# Altium PCB MBoard.PcbDoc
Units mil, origin at the board's own origin, x right, y up, seen from the top; angles counter-clockwise.
Board outline 2255 x 1195 mil, 2 copper layers (Top Layer, Bottom Layer); 48 components, 50 nets, 207 pads, 24 vias.
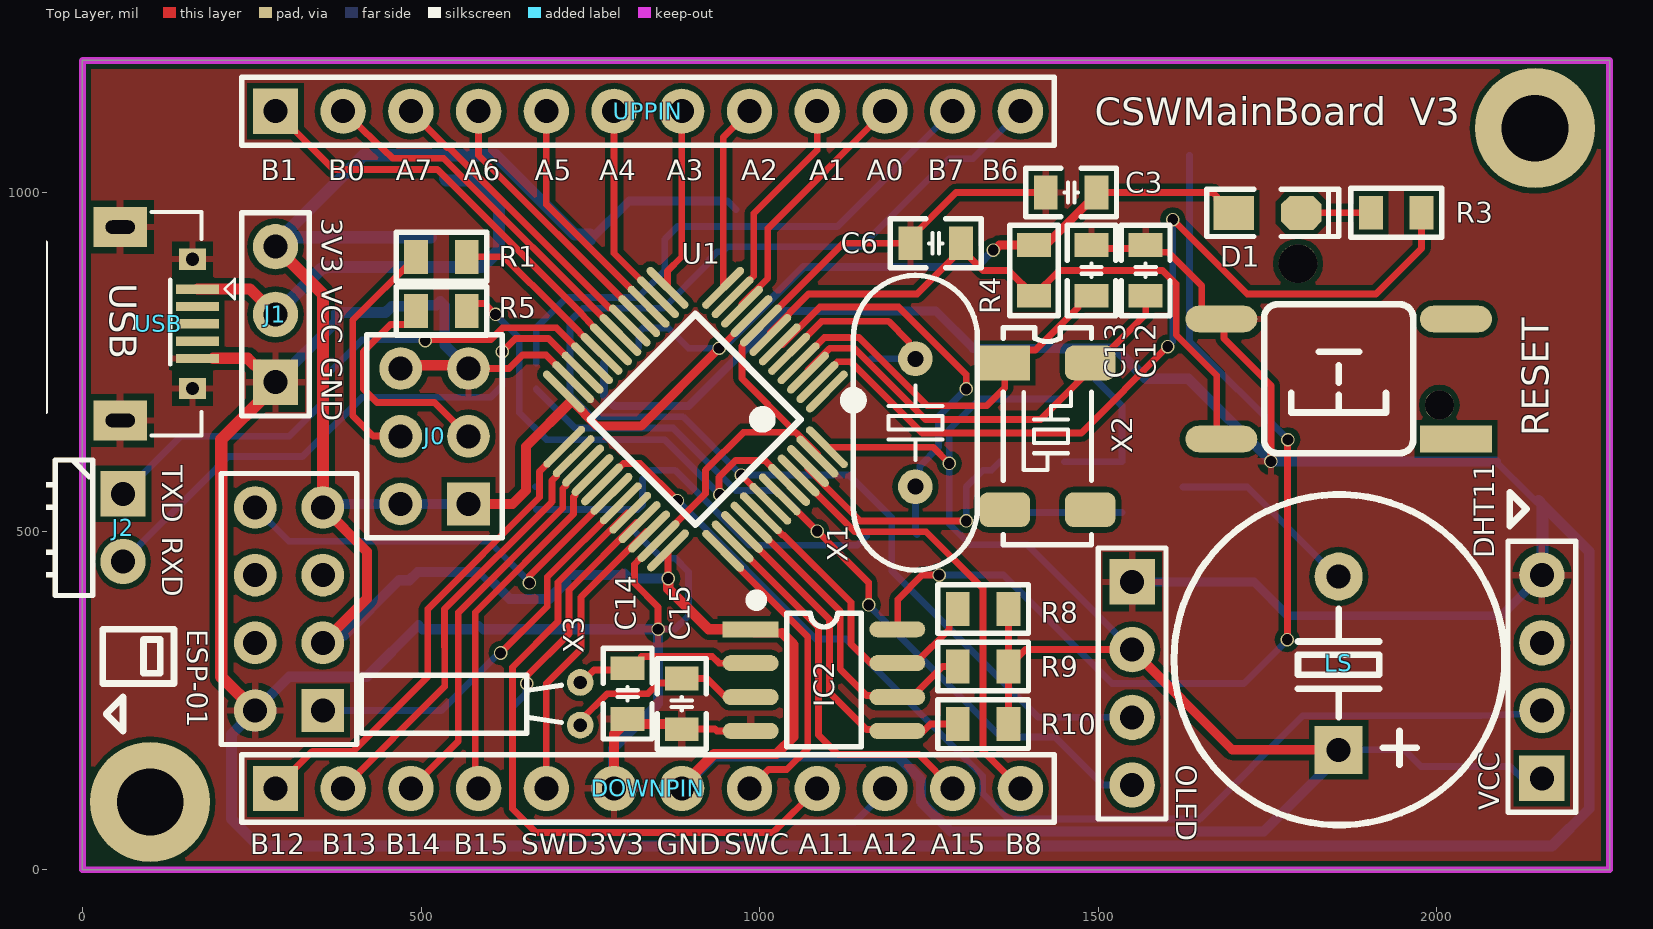
[diagram p0: Top Layer view]
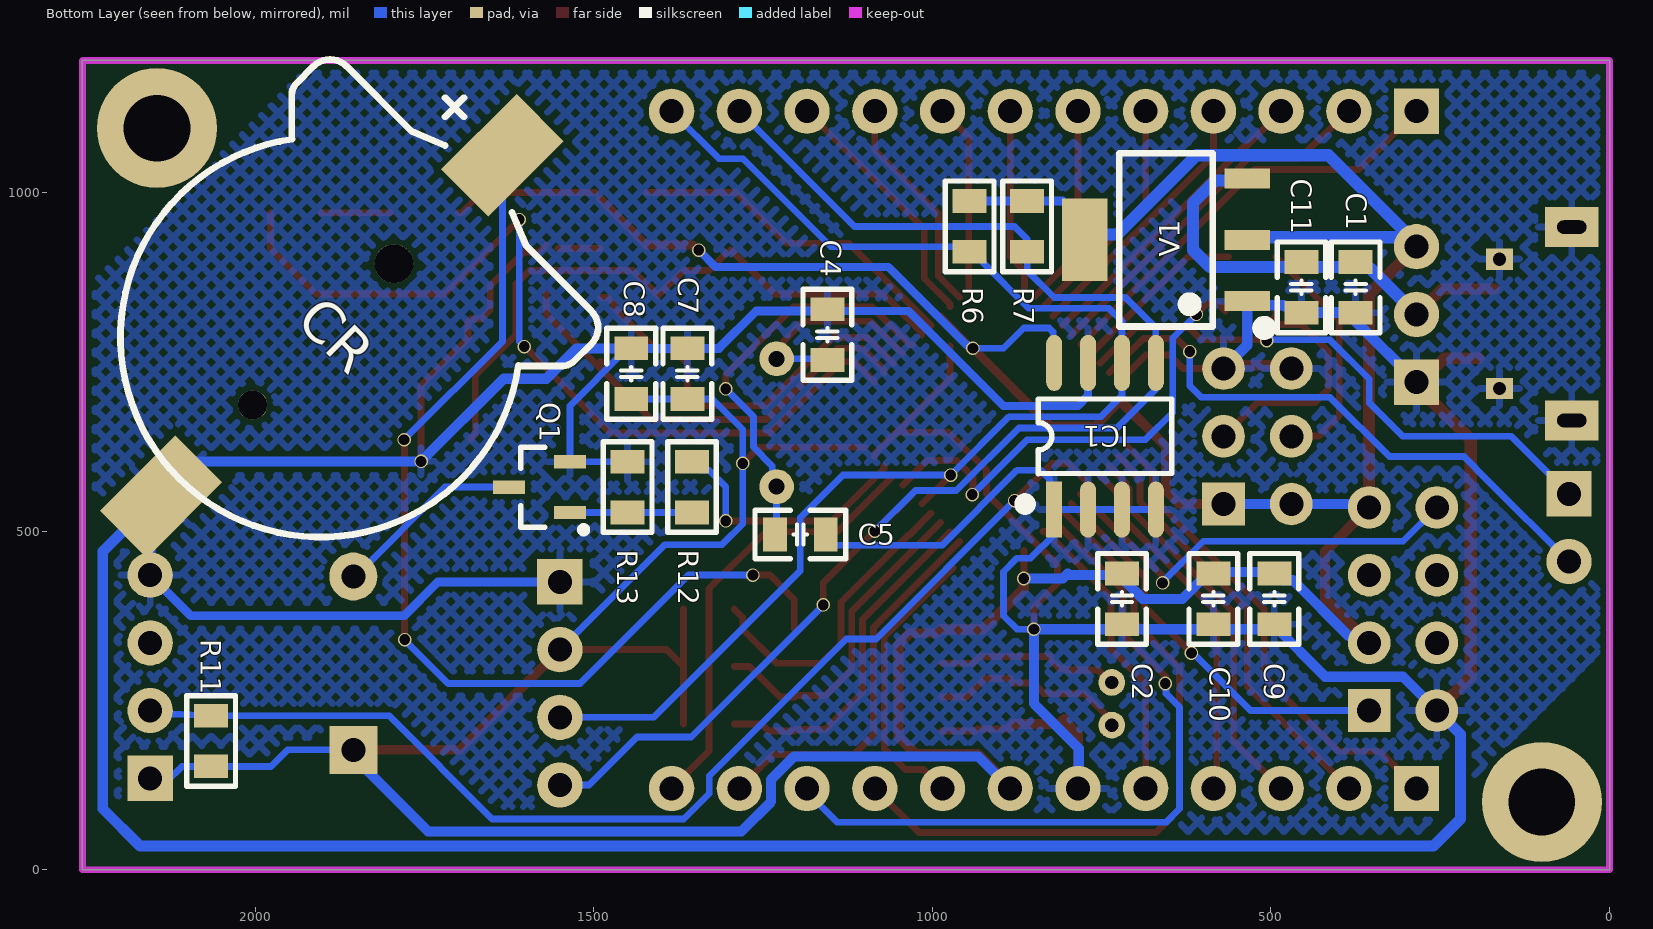
[diagram p1: Bottom Layer view, seen from below]

## Layer stack, top to bottom
Top Solder: solder mask 0.4, Solder Resist, Dk 3.5
Top Layer: signal copper 1.4
Dielectric 1: dielectric 12.6, FR-4, Dk 4.8
Bottom Layer: signal copper 1.4
Bottom Solder: solder mask 0.4, Solder Resist, Dk 3.5

## Board outline
0,0 2255,0 2255,1195 0,1195

## Design rules (kind name [scope] priority, off if disabled: settings)
Clearance [All] p1: gap=8 ignorepadtopadclearanceinfootprint=TRUE except(6: Arc-SMDPad Arc-THPad Track-SMDPad Track-THPad SMDPad-SMDPad SMDPad-THPad)
PolygonConnect [All] p1: connectstyle=Relief reliefconductorwidth=10 reliefentries=4 polygonreliefangle="90 Angle" airgapwidth=10
RoutingVias [All] p1: holewidth=16 width=20 viastyle="Through Hole" minholewidth=16 minwidth=10 maxholewidth=16 maxwidth=30
SolderMaskExpansion [All] p1: expansion=4 istentingtop=FALSE
Width [All] p1: maxlimit=20 minlimit=8 preferedwidth=10 minimp=50.000000 maximp=50.000000 favimp=50.000000
30 further rules are at their usual default settings.

## Components (designator, comment, footprint, x,y, rotation, side; value= is the part's Value field where it differs from the comment)
C1 "10uF" "C 0805_L" 375,860 r90 bottom
C2 "10uF" "C 0805_L" 720,400 r90 bottom
C3 "0.1uF" "C 0805_L" 1460,1000 r0 top
C4 "22pF" "C 0805_L" 1155,790 r270 bottom
C5 "22pF" "C 0805_L" 1195,495 r0 bottom
C6 "0.1uF" "C 0805_L" 1260,925 r0 top
C7 "0.1uF" "C 0805_L" 1361.73,732.4 r270 bottom
C8 "0.1uF" "C 0805_L" 1444.6,732.4 r270 bottom
C9 "0.1uF" "C 0805_L" 495,400 r90 bottom
C10 "0.1uF" "C 0805_L" 585,400 r90 bottom
C11 "0.1uF" "C 0805_L" 455,860 r90 bottom
C12 "22pF" "C 0805_L" 1570,885 r270 top
C13 "22pF" "C 0805_L" 1490,885 r270 top
C14 "104" "C 0805_L" 805,260 r90 top
C15 "104" "C 0805_L" 885,245 r90 top
CR "1220" CR1220_A 1903.57,786.43 r135 bottom locked
D1 "绿色" "LED 0805R" 1750,970 r0 top
DHT11 "DHT11" HDR2.54-LI-4P 2155,285 r90 top
DOWNPIN "CON12" HDR2.54-LI-12P 835,120 r0 top
ESP-01 "ESP8266-01/ESP-01" "ESP-01S NOBRODER" 199.06,179.13 r90 top
IC1 "24Cxx" SOP8_M 745,640 r90 bottom
IC2 "DS1302" SOP8_M 1095,280 r0 top
J0 "BOOT SELECT" HDR2.54-LI-2x3P 520,640 r90 top
J1 "OUTPOWER" HDR2.54-LI-3P 285,820 r90 top
J2 "USART3" HDR2.54-WI-2P 60,505 r270 top
LS "DC3V" "BEEP 6.5x12x6" 1855,305 r0 top
OLED "0.96寸OLED IIC接口" HDR2.54-M-LI-4P 1550,275 r270 top
Q1 "SS8050" SOT23-3N 1580,565 r90 bottom
R1 "10K" "R 0805_L" 530,905 r180 top
R3 "1K" "R 0805_L" 1940,970 r180 top
R4 "1K" "R 0805_L" 1405,885 r90 top
R5 "10K" "R 0805_L" 530,825 r0 top
R6 "10K" "R 0805_L" 945,950 r90 bottom
R7 "10K" "R 0805_L" 860,950 r90 bottom
R8 "4.7K" "R 0805_L" 1330,385 r0 top
R9 "4.7K" "R 0805_L" 1330,300 r0 top
R10 "4.7K" "R 0805_L" 1330,215 r0 top
R11 "4.7K" "R 0805_L" 2065,190 r270 bottom
R12 "1K" "R 0805_L" 1355,565 r90 bottom
R13 "10K" "R 0805_L" 1450,565 r90 bottom
RESET "6x6x5" "TSW SMD-6*6*4.3" 1855,725 r180 top
U1 "STM32F103C8" "LQFP48 7X7_M" 905,665 r135 top locked
UPPIN "CON12" HDR2.54-LI-12P 835,1120 r0 top
USB "USB-5P" USB-MICRO_A 55.83,806.18 r270 top
V1 "AMS1117-3V3" SOT223_L 655,930 r90 bottom
X1 "8MHz" "OSC HC-49S" 1230,660 r90 top
X2 "32.768kHz" "OSC MC-306" 1425,640 r270 top
X3 "32.768KHz" OSC-2x6-WI-A 735,245 r90 top

## Footprints (in the part's own frame and the unit in brackets; to place one, negate y for a bottom-side part, rotate by r counter-clockwise, add the part's x,y. Pads: shape width x height; smd on the part's side, far side on the other; paste and mask are expansions set on the pad)
"BEEP 6.5x12x6" [mm] "6.5*12*6mm(脚距,直径,高度)"
  rect 1.8x1.8 hole 0.9: 1(0,-3.25)
  round 1.8 hole 0.9: 2(0,3.25)
  silkscreen extent -6.18,-6.07 6.22,6.32, body extent -6,-6 6,6, height 6.05
"C 0805_L" [mil] "无极性贴片电容"
  rect 35x50 smd: 1(-37.4,0) 2(37.4,0)
  silkscreen extent -67,-36 67,36, body extent -39,-24 39,24, height 20
CR1220_A [mm] "纽扣电池座"
  round 1.1 hole 1.1: 0(-3.6,0)
  round 1.45 hole 1.45: 0(3.9,0)
  rect 4x2.5 smd: 1(9.652,0) 2(-8.458,0)
  silkscreen extent -7.5,-7.5 10.16,7.5, body extent -9.42,-7.45 10.34,7.45, height 4.05
"ESP-01S NOBRODER" [mm] "ESP-01S 无边框"
  rect 1.6x1.6 hole 0.9: 1(1.419,-3.961)
  round 1.6 hole 0.9: 2(1.419,-1.421) 3(3.959,-3.961) 4(3.959,-1.421) 5(6.499,-3.961) 6(6.499,-1.421) 7(9.039,-3.961) 8(9.039,-1.421)
  silkscreen extent 0.15,-5.23 10.31,-0.15, body extent 0.15,-5.23 10.31,-0.15, height 8.5
HDR2.54-LI-2x3P [mm] "双排排针，3x2脚"
  rect 1.6x1.6 hole 0.9: 1(-2.54,-1.27)
  round 1.6 hole 0.9: 2(-2.54,1.27) 3(0,-1.27) 4(0,1.27) 5(2.54,-1.27) 6(2.54,1.27)
  silkscreen extent -3.81,-2.54 3.81,2.54, body extent -3.81,-2.54 3.81,2.54, height 8.5
HDR2.54-LI-3P [mm] "排针，3脚"
  rect 1.7x1.7 hole 0.9: 1(-2.54,0)
  round 1.7 hole 0.9: 2(0,0) 3(2.54,0)
  silkscreen extent -3.81,-1.27 3.81,1.27, body extent -3.81,-1.27 3.81,1.27, height 8.5
HDR2.54-LI-4P [mm] "排针，4脚"
  rect 1.7x1.7 hole 0.9: 1(-3.81,0)
  round 1.7 hole 0.9: 2(-1.27,0) 3(1.27,0) 4(3.81,0)
  silkscreen extent -5.08,-1.27 5.08,1.27, body extent -5.08,-1.27 5.08,1.27, height 8.5
HDR2.54-LI-12P [mm] "排针，13脚"
  rect 1.7x1.7 hole 0.9: 1(-13.97,0)
  round 1.7 hole 0.9: 2(-11.43,0) 3(-8.89,0) 4(-6.35,0) 5(-3.81,0) 6(-1.27,0) 7(1.27,0) 8(3.81,0) 9(6.35,0) 10(8.89,0) 11(11.43,0) 12(13.97,0)
  silkscreen extent -15.24,-1.27 15.24,1.27, body extent -15.24,-1.27 15.24,1.27, height 8.5
HDR2.54-M-LI-4P [mm] "排母，4脚"
  rect 1.7x1.7 hole 0.9: 1(-3.81,0)
  round 1.7 hole 0.9: 2(-1.27,0) 3(1.27,0) 4(3.81,0)
  silkscreen extent -5.08,-1.27 5.08,1.27, body extent -5.08,-1.27 5.08,1.27, height 8.5
HDR2.54-WI-2P [mm] "弯脚排针，2脚"
  rect 1.7x1.7 hole 0.9: 1(-1.27,0)
  round 1.7 hole 0.9: 2(1.27,0)
  silkscreen extent -2.54,-7.76 2.54,-1.14, body extent -2.54,-7.77 2.54,1.27, height 4.85
"LED 0805R" [mil] "红色0805LED"
  rect 60x50 smd: 1(-50,0)
  oct 60x50 smd: 2(50,0)
  silkscreen extent -90,-35 105,35, body extent -39,-25 39,25, height 32
"LQFP48 7X7_M" [mm] "48脚，体宽7x7mm，脚距0.5mm"
  oval 0.3x2.1 smd: 1(-2.75,-4.227) 2(-2.25,-4.227) 3(-1.75,-4.227) 4(-1.25,-4.227) 5(-0.75,-4.227) 6(-0.25,-4.227) 7(0.25,-4.227) 8(0.75,-4.227) 9(1.25,-4.227) 10(1.75,-4.227) 11(2.25,-4.227) 12(2.75,-4.227) 25(2.75,4.202) 26(2.25,4.202) 27(1.75,4.202) 28(1.25,4.202) 29(0.75,4.202) 30(0.25,4.202) 31(-0.25,4.202) 32(-0.75,4.202) 33(-1.25,4.202) 34(-1.75,4.202) 35(-2.25,4.202) 36(-2.75,4.202)
  oval 2.1x0.3 smd: 13(4.227,-2.75) 14(4.227,-2.25) 15(4.227,-1.75) 16(4.227,-1.25) 17(4.227,-0.75) 18(4.227,-0.25) 19(4.227,0.25) 20(4.227,0.75) 21(4.227,1.25) 22(4.227,1.75) 23(4.227,2.25) 24(4.227,2.75) 37(-4.227,2.75) 38(-4.227,2.25) 39(-4.227,1.75) 40(-4.227,1.25) 41(-4.227,0.75) 42(-4.227,0.25) 43(-4.227,-0.25) 44(-4.227,-0.75) 45(-4.227,-1.25) 46(-4.227,-1.75) 47(-4.227,-2.25) 48(-4.227,-2.75)
  silkscreen extent -3.93,-4.95 2.79,2.79, body extent -4.5,-4.5 4.5,4.5, height 1.45
"OSC HC-49S" [mm]
  round 1.3 hole 0.6: 1(-2.4,0) 2(2.4,0)
  silkscreen extent -5.52,-2.33 5.52,2.33, body extent -5.52,-2.32 5.53,2.33, height 4.13
"OSC MC-306" [mm] "8mm*3.2mm*2.54mm(长*宽*高)"
  rect 1.3x1.9 smd: 1(-2.75,-1.6)
  rrect50% 1.3x1.9 smd: 2(2.75,-1.6) 3(2.75,1.6) 4(-2.75,1.6)
  silkscreen extent -4.06,-1.65 4.06,1.65, body extent -4,-1.63 4,1.63, height 2.56
OSC-2x6-WI-A [mm] "脚距：1.6mm"
  round 1 hole 0.5: 1(0.8,0) 2(-0.8,0)
  silkscreen extent -1.1,0.7 1.07,8.2, body extent -1,-0.16 1,8, height 2.05
"R 0805_L" [mil] "1/8W贴片电阻"
  rect 35x50 smd: 1(-37.4,0) 2(37.4,0)
  silkscreen extent -67,-36 67,36, body extent -39,-25 39,25, height 20
SOP8_M [mm] "5*6*1.8mm（长宽高）"
  rect 2.1x0.6 smd: 1(-2.75,1.905)
  oval 2.1x0.6 smd: 2(-2.75,0.635) 3(-2.75,-0.635) 4(-2.75,-1.905) 5(2.75,-1.905) 6(2.75,-0.635) 7(2.75,0.635) 8(2.75,1.905)
  silkscreen extent -2.69,-2.5 1.4,3.15, body extent -3,-2.5 3,2.5, height 1.9
SOT23-3N [mm] "3x1.3x1mm(长宽高)"
  rect 0.5x1.2 smd: 1(-0.95,-1.143) 2(0.95,-1.143) 3(0,1.143)
  silkscreen extent -1.72,-1.78 1.5,0.7, body extent -1.5,-1.2 1.5,1.2, height 1.05
SOT223_L [mm] "6.4x7x1.6mm(长宽高)"
  rect 0.75x1.7 smd: 1(-2.3,-3.048) 2(0,-3.048) 3(2.3,-3.048)
  rect 3.1x1.7 smd: 2(0,3.048)
  silkscreen extent -3.5,-3.88 3.25,1.75, body extent -3.25,-3.51 3.25,3.51, height 1.65
"TSW SMD-6*6*4.3" [mm] "6*6*4.3mm"
  rect 2.7x1 smd: 1(-4.4,2.261)
  oval 2.7x1 smd: 2(-4.4,-2.239) 3(4.4,-2.239) 4(4.4,2.261)
  silkscreen extent -2.79,-2.79 2.79,2.79, body extent -4.5,-3 4.5,3, height 4.25
USB-MICRO_A [mm] "micro型USB ，5.7*7.8*2.5mm"
  rect 0.35x1.6 smd: 1(-1.3,2.9) 2(-0.65,2.9) 3(0,2.9) 4(0.65,2.9) 5(1.3,2.9)
  rect 1.5x2 hole 0.5 slot 1.1 at 90 deg: 5(-3.625,0) 5(3.625,0)
  rect 0.8x1 hole 0.5: 5(-2.425,2.71) 5(2.425,2.71)
  silkscreen extent -4.19,-2.79 4.19,4.3, body extent -4,-2.71 4,2.89, height 2.8

## Part data
C1 C2 C3 C4 C5 C6 C7 C8 C9 C10 C11 C12 C13 C14 C15: library part C, "无极性贴片电容", BOM名称=无极性贴片电容, 学习资源=www.ooocke.com, 版权归属=源创客
CR: library part CR-3V, "微型电池", BOM名称=微型电池, 学习资源=www.ooocke.com, 版权归属=源创客
D1: library part LED-SMD, "贴片LED", BOM名称=贴片LED, 学习资源=www.ooocke.com, 版权归属=源创客
DOWNPIN UPPIN: "Connector"
ESP-01: library part ESP8266-01, "ESP8266-01 接口"
IC1: "外置EEPROM", BOM名称=外置EEPROM, 学习资源=www.ooocke.com, 版权归属=源创客
IC2: "实时时钟芯片", BOM名称=实时时钟芯片, 学习资源=www.ooocke.com, 版权归属=源创客
J0: library part CON6, "Connector"
J1: library part CON3, "Connector"
J2: library part CON2, "Connector"
LS: library part BEEP, "蜂鸣器", BOM名称=蜂鸣器, 学习资源=www.ooocke.com, 版权归属=源创客
OLED: library part OLED0.96_IIC, "0.96寸OLED  IIC接口"
Q1: library part 8050-SMD, "高频放大-NPN型", BOM名称=高频放大-NPN型, 学习资源=www.ooocke.com, 属性="40V 1.5A 1W 100MHZ", 版权归属=源创客
R1 R3 R4 R5 R6 R7 R8 R9 R10 R11 R12 R13: library part R, "贴片电阻", BOM名称=贴片电阻, 学习资源=www.ooocke.com, 版权归属=源创客
RESET: library part "TSW SMD-6x6", "贴片6x6轻触开关", BOM名称=贴片6x6轻触开关, 学习资源=www.ooocke.com, 版权归属=源创客
U1: "Flaah:64/RAM:20/IO:36", BOM名称=32位STM单片机, 学习资源=www.ooocke.com, 版权归属=源创客
USB: "微型USB母座", BOM名称=微型USB母座, 学习资源=www.ooocke.com, 版权归属=源创客
V1: library part AMS1117, "三端稳压芯片", BOM名称=稳压芯片, 学习资源=www.ooocke.com, 版权归属=源创客
X1 X3: library part XTAL-2P, "2脚无源脚晶振", BOM名称=2脚无源脚晶振, 学习资源=www.ooocke.com, 版权归属=源创客
X2: library part XTAL-MC-4P, "MC系列4脚晶振", BOM名称=2脚无源脚晶振, 学习资源=www.ooocke.com, 版权归属=源创客

## Free pads (board coordinates)
  round 177.17 hole 98.43: 0(100,100) 0(2145,1095)

## Via types
v1: diameter 20, hole 16, Top Layer to Bottom Layer, 24 vias

## Nets (pads, with @x,y where several pads share a name; then routed paths per layer and width w, separated by ;. In a path a pad name is that pad's centre, name@x,y a point inside that pad or via, vN(x,y) a via of type N, cw(c..) or ccw(c..) an arc to the next point about the centre after c; other vN are vias at no path point)
BEEP: R12.2 U1.46 | length 385
  Top Layer w10: U1.46 1071.39,592.12 1148.51,515 v1(1305,515)
  Bottom Layer w10: v1(1305,515) 1305,565 1329.9,589.9 1342.5,589.9 R12.2
BOOT0: J0.3 R5.1 | length 370.8
  Top Layer w10: R5.1 492.6,817.5 505.1,805 455,805 415,765 415,710 435,690 520,690 J0.3
BOOT1: J0.4 R1.2 | length 356.8
  Top Layer w10: J0.4 469.66,640.34 429.36,640.34 399,670.7 399,811.4 R1.2
GND: C1.1 C2.1 C3.1 C4.1 C6.1 C7.1 C8.1 C9.1 C10.1 C11.1 C12.1 C13.1 C14.1 C15.1 CR.2 DHT11.4 DOWNPIN.6 ESP-01.2 IC1.1 IC1.2 IC1.3 IC1.4 IC1.7 IC2.4 J0.5 J0.6 J1.1 OLED.1 Q1.2 R13.2 RESET.3 U1.8 U1.23 U1.35 U1.47 USB.5 V1.1 | length 10440.4
  Top Layer w10: J0.5 630,740 650,760 684.73,760 U1.23 ; v1(850,355) 850,388 815,423 815,451.03 823.96,459.99 825.27,459.99 U1.35 850.67,485.88 920,555.21 920,590 975.92,645.92 1053.28,645.92 ; C15.1 934,207.6 936.6,205 IC2.4 ; U1.8@973.76,773.44 973.76,725.45 1053.28,645.92 ; U1.8 1080,881.76 1123.24,925 1215,925 1290,1000 C3.1 ; U1.47 1085.31,613.89 1079.21,620 1054.99,644.22 1053.28,645.92 ; C13.1@1490,917.41 1500,917.41 C12.1@1552.6,917.4 ; C12.1 1580.55,911.85 1603.15,911.85 1652.94,862.06 1652.94,826.73 1666.51,813.17 RESET.3 1685.66,809.28 1685.66,784.34 1755,715 v1(1755,603)
  Top Layer w15: DOWNPIN.6 785,200 C14.1@805,220 ; C14.1 812.6,215 880,215 C15.1@885,210
  Top Layer w16: J0.6@475,745 J0.5@565,745
  Top Layer w17: USB.5@193,755 244.04,755 254.08,744.96 260.04,744.96 273.12,731.88 J1.1@273.12,701.88
  Top Layer w18: ESP-01.2 205,285 205,635.16 J1.1@272.42,702.58
  Bottom Layer w10: C9.1 496.3,361.3 C9.1@502.59,355 ; C10.1@577.4,355 C10.1 C10.1@592.59,355 ; IC1.4@668.71,565.47 IC1.4@669.53,565.47 ; IC1.4 IC1.3 IC1.2 IC1.1 826.81,538.54 826.81,576.81 840,590 874.7,590 985.7,479 1144.1,479 1157.6,492.5 1157.6,495 ; IC1.1@818.27,496.73 855,460 875,460 895,440 895,375 875.18,355.18 850.18,355.18 v1(850,355) ; R13.2 1508,602.4 Q1.2 1535,685 C8.1@1455,765 ; CR.2@2087,603 CR.2 CR.2@2147.5,542.5 ; DHT11.4 2159.92,439.92 2159.92,530.08 CR.2@2155,535
  Bottom Layer w12: IC1.7 770,700 785,685 895,685 1035,825 C4.1@1155,825
  Bottom Layer w13: C4.1@1155,825 1260,825 1315.2,769.8 C7.1 C8.1 ; OLED.1 1730,425 1780,375 2095,375 DHT11.4
  Bottom Layer w15: ESP-01.2 305,285 420,285 C9.1@496.3,361.3 ; C9.1@502.59,355 C10.1@577.4,355 ; C10.1@592.59,355 C2.1@720,355 ; C2.1 727.59,355 v1(850,355) 850,245.23 783.81,179.04 783.81,121.19 DOWNPIN.6 ; C8.1 1455,769.8 1525.2,769.8 1570,725 1633,725 v1(1755,603) CR.2@2087,603
  Bottom Layer w16: ESP-01.2 220,200 220,75 260,35 2170,35 2225,90 2225,470 2157.5,537.5 CR.2@2150,545 ; J1.1 375,810 C1.1 447.59,822.6 457.09,832.1 479.92,832.1 481.37,833.55 522.34,833.55 528.24,839.45 535,832.68 535,775 J0.5 ; DHT11.4 CR.2@2155,535
NetC14_2: C14.2 IC2.2 X3.1 | length 275.8
  Top Layer w10: X3.1@733.25,278.25 738.79,278.25 755.54,295 802.61,295 C14.2 812.5,297.4 825,309.9 825,315 930,315 940,305 IC2.2
NetC15_2: C15.2 IC2.3 X3.2 | length 294.4
  Top Layer w10: X3.2 735,220 775,260 835,260 850.86,275.86 880.86,275.86 C15.2@885,280 ; C15.2 922,282.4 949.4,255 IC2.3
NetCR_1: CR.1 IC2.8 | length 1504.8
  Top Layer w10: IC2.8 1204,355 1204,399 1240,435 v1(1265,435) ; v1(1779.01,339.72) 1779.5,340.21 1779.5,634.5 v1(1780,635)
  Bottom Layer w10: v1(1265,435) 1360,435 1520,275 1715,275 v1@1780,340 ; CR.1 1634.87,780.13 v1(1780,635)
NetD1_2: D1.2 R3.2 | length 102.6
  Top Layer w10: D1.2 R3.2
NetLS_2: LS.2 Q1.3 | length 284.7
  Bottom Layer w10: Q1.3 1720,565 1852.05,432.95 LS.2
NetQ1_1: Q1.1 R12.1 R13.1 | length 180
  Bottom Layer w10: R12.1 R13.1 1492,527.6 Q1.1
NetR1_1: R1.1 U1.20 | length 298.4
  Top Layer w10: R1.1@562.4,905 622.75,905 702.75,825 U1.20@766.03,761.72 ; U1.20@741.39,786.85 U1.20
NetR5_2: R5.2 U1.44 | length 714.1
  Top Layer w10: R5.2 578.36,835.96 594.04,835.96 v1(610,820) ; v1(941,554) 940,555 940,579.7 964.47,604.16 1007.57,604.16 U1.44@1043.53,568.2
  Bottom Layer w10: v1(610,820) 645,785 645,675 685,635 859.4,635 940.4,554 v1(941,554)
NRST: C6.2 R4.1 RESET.4 U1.7 | length 955
  Top Layer w10: U1.7 1015.72,793.56 1072.15,850 1232.62,850 C6.2@1297.62,915 ; C6.2@1303.18,911.72 1329.89,885 1367.6,885 R4.1 1442.41,885 1595,885 1615,865 1615,790 1675,730 1675,642.77 RESET.4
OSC_IN: C4.2 U1.5 X1.2 | length 274.8
  Top Layer w10: U1.5 1091.51,809.75 1123,809.75 1123.25,810 1190,810 1220,780
  Bottom Layer w10: C4.2@1164.01,754.49 X1.2
OSC_OUT: C5.2 U1.6 X1.1 | length 607.9
  Top Layer w10: U1.6 1033.57,775.72 1088.82,830.97 1205.27,830.97 1305,731.24 v1(1305,710)
  Bottom Layer w10: C5.2 1230,497.4 X1.1 1236.46,571.97 1236.46,596.46 1264,624 1264,669 v1(1305,710)
PA0: U1.10 UPPIN.10 | length 376
  Top Layer w10: U1.10 973.96,835.32 1012,873.36 1012,947 UPPIN.10
PA1: U1.11 UPPIN.9 | length 326.4
  Top Layer w10: U1.11 991.28,876.55 991.28,969 1085,1062.72 UPPIN.9
PA2: U1.12 UPPIN.8 | length 276.9
  Top Layer w10: U1.12 946.12,1081.12 UPPIN.8
PA3: U1.13 UPPIN.7 | length 269.5
  Top Layer w10: U1.13 863.88,884 885,905.12 UPPIN.7
PA4: U1.14 UPPIN.6 | length 301.6
  Top Layer w10: UPPIN.6 785,910.27 U1.14
PA5: U1.15 UPPIN.5 | length 351.2
  Top Layer w10: UPPIN.5 685,982.44 U1.15
PA6: U1.16 UPPIN.4 | length 425.7
  Top Layer w10: UPPIN.4 585,1055 U1.16@815,825 ; U1.16@797.07,842.53 814.8,824.8 U1.16
PA7: U1.17 UPPIN.3 | length 454.7
  Top Layer w10: UPPIN.3@484.71,1120.29 538.46,1066.54 541.29,1066.54 778.87,828.96 782.8,828.96 U1.17
PA8: DHT11.2 R11.1 U1.29 | length 1706.5
  Top Layer w10: U1.29 767.64,568.91 798.73,600 823.58,600 v1(878.58,545)
  Bottom Layer w10: v1(878.58,545) 1082.82,340.75 1127.13,340.75 1329.46,138.42 1329.46,112.65 1367.12,75 1650,75 1802.41,227.41 R11.1 2123.19,230 DHT11.2@2165,230
PA9: ESP-01.8 U1.30 | length 633.5
  Top Layer w10: v1(660,423.59) 660,433.92 U1.30
  Bottom Layer w10: ESP-01.8 305,485 600,485 660,425 v1(660,423.59)
PA10: ESP-01.1 U1.31 | length 592.3
  Top Layer w10: v1(617.5,320) 686.34,388.84 686.34,432.42 U1.31
  Bottom Layer w10: ESP-01.1 530,235 615,320 v1(617.5,320)
PA11: DOWNPIN.9 U1.32 | length 1002.9
  Top Layer w10: U1.32 804.99,527.15 702.34,424.51 702.34,366.34 635,299 635,90 670,55 1020,55 DOWNPIN.9
PA12: DOWNPIN.10 U1.33 | length 1088.4
  Top Layer w10: v1(656,275) 654.64,276.36 654.64,284.64 718.34,348.34 718.34,412.67 818.9,513.23 U1.33
  Bottom Layer w10: v1(656,275) 655,276 655,260 635,240 635,90 655,70 1140,70 1185,115 DOWNPIN.10
PA13: DOWNPIN.5 U1.34 | length 444.5
  Top Layer w10: DOWNPIN.5 685,275 736,326 736,402.49 832.82,499.31 U1.34
PA14: DOWNPIN.8 U1.37 | length 419.1
  Top Layer w10: U1.37@969.47,445.53 1071.07,343.93 1071.07,179.07 1040,148 1013,148 DOWNPIN.8
PA15: DOWNPIN.11 U1.38 | length 569
  Top Layer w10: U1.38 1087.07,357.65 1087.07,198.93 1116,170 1235,170 DOWNPIN.11
PB0: U1.18 UPPIN.2 | length 545
  Top Layer w10: UPPIN.2 458.59,1050.54 533.38,1050.54 U1.18
PB1: U1.19 UPPIN.1 | length 638.6
  Top Layer w10: UPPIN.1 370.98,1034.02 523.98,1034.02 735.92,822.08 736.08,821.91 755.31,800.77 U1.19
PB3: IC2.5 R10.1 U1.39 | length 507.4
  Top Layer w10: U1.39 1103.07,369.49 1103.07,261.93 1157.91,207.09 1201.18,207.09 IC2.5 1242,205 1252,215 R10.1
PB4: IC2.6 R9.1 U1.40 | length 480.1
  Top Layer w10: U1.40 1119.07,381.33 1119.07,295.93 1157.91,257.09 1201.18,257.09 IC2.6 1225,255 1270,300 R9.1
PB5: IC2.7 R8.1 U1.41 | length 461.9
  Top Layer w10: U1.41 1034.5,493.74 1036.26,493.74 1135.07,394.93 1135.07,333.43 1163.5,305 1230,305 1280.1,355.1 1280.1,372.5 R8.1
PB6: IC1.6 OLED.3 R6.1 U1.42 UPPIN.12 | length 2038.6
  Top Layer w10: v1(972.8,582.8) 1015.23,540.37 U1.42
  Bottom Layer w10: UPPIN.12 1315,1050 1280,1050 1150,920 952.4,920 R6.1 937.5,912.6 925,900.1 925,896.35 857.65,829 739,829 720,810 IC1.6 720,700 751,669 886.59,669 v1(972.8,582.8) 1132.2,582.8 1195,520 1195,441.85 1411.85,225 OLED.3
PB7: IC1.5 OLED.4 R7.1 U1.43 UPPIN.11 | length 2045.9
  Top Layer w10: U1.43 1030.12,554.28 1084.41,500 v1(1085.07,500) 1085.07,499.93 1161,424 v1(1161,391)
  Bottom Layer w10: IC1.5@670,710 727.55,652.45 872.25,652.45 964.7,560 1025.07,560 v1(1085.07,500) ; IC1.5 670,800 715,845 820,845 860,885 R7.1 860,931.12 878.87,950 1115,950 UPPIN.11 ; v1(1161,391) 1356,196 1436,196 1507,125 OLED.4
PB8: DOWNPIN.12 U1.45 | length 659.5
  Top Layer w10: U1.45 1140.6,499 1246,499 1330,415 1330,175 DOWNPIN.12
PB10: J2.1 U1.21 | length 837.3
  Top Layer w10: v1(506.25,781.25) 507.5,782.5 602.5,782.5 620.22,800.22 700.18,800.22 U1.21
  Bottom Layer w10: J2.1 145,640 305,640 355,690 355,725 412.5,782.5 505,782.5 v1(506.25,781.25)
PB11: J2.2 U1.22 | length 865.1
  Top Layer w10: v1(620,765) 639.22,784.22 688.34,784.22 U1.22
  Bottom Layer w10: J2.2 180,575 215,610 325,610 412.5,697.5 602.5,697.5 620,715 v1(620,765)
PB12: DOWNPIN.1 U1.25 | length 716.4
  Top Layer w10: DOWNPIN.1 340,175 400,175 510,285 510,385 675,550 675,588.11 U1.25
PB13: DOWNPIN.2 U1.26 | length 631.6
  Top Layer w10: DOWNPIN.2 534.95,270.34 534.8,384.8 693.19,543.19 693.19,574.54 699.99,581.34 699.99,585.27 U1.26
PB14: DOWNPIN.3 U1.27 | length 582.1
  Top Layer w10: DOWNPIN.3 555,190 555,380 709.19,534.19 709.19,562.7 713.91,567.42 713.91,571.35 U1.27
PB15: DOWNPIN.4 U1.28 | length 536.7
  Top Layer w10: DOWNPIN.4 580,125 580,380 725.19,525.19 725.19,550.86 727.83,553.5 727.83,557.43 U1.28
PC13: R3.1 U1.2 | length 1310.4
  Top Layer w10: U1.2 1085.31,720.77 1114.54,750 1135,750 1240,645 1475,645 v1(1602.5,772.5) ; v1(1610,960) 1720,850 1910,850 1977.4,917.4 R3.1
  Bottom Layer w10: v1(1602.5,772.5) 1610,780 v1(1610,960)
PC14: C12.2 U1.3 X2.4 | length 656.3
  Top Layer w10: U1.3 1071.39,737.88 1103.43,769.92 1140.08,769.92 1245,665 1415,665 1570,820 C12.2@1570,850 ; X2.4 X2.4@1490,750.27
PC15: C13.2 U1.4 X2.1 | length 579.3
  Top Layer w10: U1.4 1095.51,785.92 1146.83,785.92 1193.41,739.33 1247.74,685 1335,685 1362.01,712.01 X2.1@1362.01,747.01 ; X2.1 1380.98,767.24 1407.24,767.24 1470,830 1470,835.1 1479.89,845 C13.2@1490,845
VCC: C1.2 C11.2 J1.2 USB.1 V1.3 | length 665.2
  Top Layer w16: USB.1 247.64,857.36 J1.2
  Bottom Layer w16: C1.2@352.9,887.9 358,887.9 360,889.9 C1.2@360,890 ; V1.3@534.45,1020.55 V1.3@537.31,1017.69
  Bottom Layer w18: J1.2 C1.2@352.9,887.9 ; C1.2@360,890 590,890 615,915 615,985 582.31,1017.69 V1.3@537.31,1017.69
"VCC 3V3": C2.2 C3.2 C7.2 C8.2 C9.2 C10.2 D1.1 DHT11.1 DOWNPIN.7 ESP-01.3 ESP-01.7 IC1.8 IC2.1 J0.1 J0.2 J1.3 LS.1 OLED.2 R4.2 R6.2 R7.2 R8.2 R9.2 R10.2 R11.2 U1.9 U1.24 U1.36 U1.48 V1.2 | length 7789.8
  Top Layer w10: U1.36 864.59,430.41 v1(865,430) ; v1(940,770) 940.4,770 U1.9 ; U1.48 1256.12,623.88 v1(1280,600) ; R10.2 R9.2 ; R8.2 R9.2 ; C3.2 1669.14,1000 1675,994.14 1675,990 1695,970 D1.1 ; OLED.2 1392.4,325 R9.2
  Top Layer w13: U1.24@722.32,692.32 759.63,655 825,655 v1(940,770) ; DOWNPIN.7 DOWNPIN.7@885,123.07 ; IC2.1 992.04,349.69 1033.05,349.69 ; v1(1345,915) 1346.89,915 1354.29,922.4 R4.2 1422.4,922.4 C3.2@1490,990 ; LS.1 LS.1@1865,177.05
  Top Layer w14: OLED.2 1697.95,177.05 LS.1
  Top Layer w15: ESP-01.3 420,400 420,470 ESP-01.7 ; J0.1 635,540 655,560 655,625 U1.24@722.32,692.32 ; v1(865,430) 865,414.8 924.8,355 IC2.1 ; DOWNPIN.7@885,123.07 932.93,171 1024.93,171 1050,196.07 1050,332.74 1033.05,349.69
  Top Layer w18: J1.3@290,915 355,850 ESP-01.7
  Bottom Layer w10: C10.2@585,439.61 599.71,424.9 C10.2@605.1,424.9 ; IC1.8@820,770 821.57,771.57 821.57,794.14 827.43,800 865,800 895,770 v1(940,770) ; R6.2 952.5,987.4 R6.2@965,974.9 ; C8.2 C7.2 1325,695 1280,650 v1(1280,600) 1280,510.3 1310.3,480 1395,480 OLED.2 ; LS.1@1865,177.05 1952,177.05 1976.45,152.6 R11.2 2108,152.6 2130.6,130 DHT11.1@2175,130
  Bottom Layer w12: v1(940,770) 942.16,770 946.16,774 948.64,774 1064.64,890 1320,890 v1(1345,915)
  Bottom Layer w13: C10.2@605.1,424.9 C10.2@605.68,424.9 ; V1.2@750,930 807.4,987.4 R7.2 R6.2
  Bottom Layer w15: ESP-01.3 364.18,344.18 384.18,344.18 467.4,427.4 482.79,427.4 495,439.61 C10.2@585,439.61 ; ESP-01.7 360,540 J0.2 J0.1 ; C10.2@605.68,424.9 630.58,400 689.42,400 C2.2@714.32,424.9 ; C2.2 722.4,435 797.6,435 800,437.4 807.4,430 v1(865,430) ; DOWNPIN.7 931.96,166.96 1204.45,166.96 1238.04,133.38 1238.04,100.55 1282.08,56.5 1744.45,56.5 LS.1@1865,177.05
  Bottom Layer w16: J1.3 298.78,920 312.69,933.91 316.67,933.91 ; 462.65,935 463.74,933.91 ; V1.2@749.54,938.09 750,937.63 V1.2@750,930
  Bottom Layer w18: J1.3@282.5,922.5 415,1055 610,1055 726.91,938.09 V1.2@749.54,938.09 ; 316.67,933.91 463.74,933.91 V1.2@514.91,933.91
pads on no net: C5.1 CR.0 DHT11.3 ESP-01.4 ESP-01.5 ESP-01.6 RESET.1 RESET.2 U1.1 USB.2 USB.3 USB.4 X2.2 X2.3

## Polygon pours and split planes (outlines as drawn)
GND on Bottom Layer "GND_L02_P004" (hatched 45Degree grid 20 track 10, remove dead copper, pour order 4): 0,1195 1915,1195 1915,1190 2255,850 2255,0 337.25,0 0,337.25
GND on Bottom Layer "NONET_L02_P001" (hatched 45Degree grid 20 track 10, shelved, pour order 1): 2570,4760 4825,4760 4825,3565 2570,3565
GND on Top Layer "GND_L01_P006" (solid, pour order 6): 0,1195 2255,1195 2255,0 0,0
GND on Top Layer "NONET_L01_P005" (solid, shelved, pour order 5): 2570,4760 4825,4760 4825,3565 2570,3565
GND on Top Layer "NONET_L01_P000" (solid, shelved, pour order 0): 2570,4760 4825,4760 4825,3565 2570,3565

## Keep-outs
Keep-Out Layer:
  the board outline again, w10

## Silkscreen, mask and mechanical layers (free items; w line width, h text height)
Top Overlay:
  lines w10: 30,275 135,275 135,355 30,355 30,275 ; 35,230 60,205 60,255 35,230 ; 90,290 90,340 115,340 115,290 90,290 ; 2107.5,507.5 2132.5,532.5 2107.5,557.5 2107.5,507.5
  text "CSWMainBoard" at 1495,1085 h70
  text "V3" at 1960,1085 h70
  text "B1" at 263,1018 h30
  text "B0" at 363,1018 h30
  text "A7" at 463,1018 h30
  text "A6" at 563,1018 h30
  text "A5" at 668,1018 h30
  text "A4" at 763,1018 h30
  text "A3" at 863,1018 h30
  text "A2" at 973,1018 h30
  text "A1" at 1073,1018 h30
  text "A0" at 1158,1018 h30
  text "B7" at 1248,1018 h30
  text "B6" at 1328,1018 h30
  text "3V3" at 353,962 h30 r270
  text "VCC" at 353,862 h30 r270
  text "GND" at 353,757 h30 r270
  text "TXD" at 118,597 h30 r270
  text "RXD" at 118,492 h30 r270
  text "VCC" at 2092,88 h30 r90
  text "B12" at 248,23 h30
  text "B13" at 353,23 h30
  text "B14" at 448,23 h30
  text "B15" at 548,23 h30
  text "SWD" at 648,23 h30
  text "3V3" at 748,23 h30
  text "GND" at 848,23 h30
  text "SWC" at 948,23 h30
  text "A11" at 1058,23 h30
  text "A12" at 1153,23 h30
  text "A15" at 1253,23 h30
  text "B8" at 1363,23 h30